# Altium PCB MainBoard_Layout_V2.PcbDoc (part 3 of 3)
Units mil, origin at the board's own origin, x right, y up, seen from the top; angles counter-clockwise.
Board outline 6119.77 x 4182.8 mil, 4 copper layers (Top Layer 1, Top Layer, Bottom Layer, Bottom Layer 1), stack 19.156 mil thick; 239 components, 227 nets, 1028 pads, 670 vias.
Unrouted connection lines stored in the file: 2.
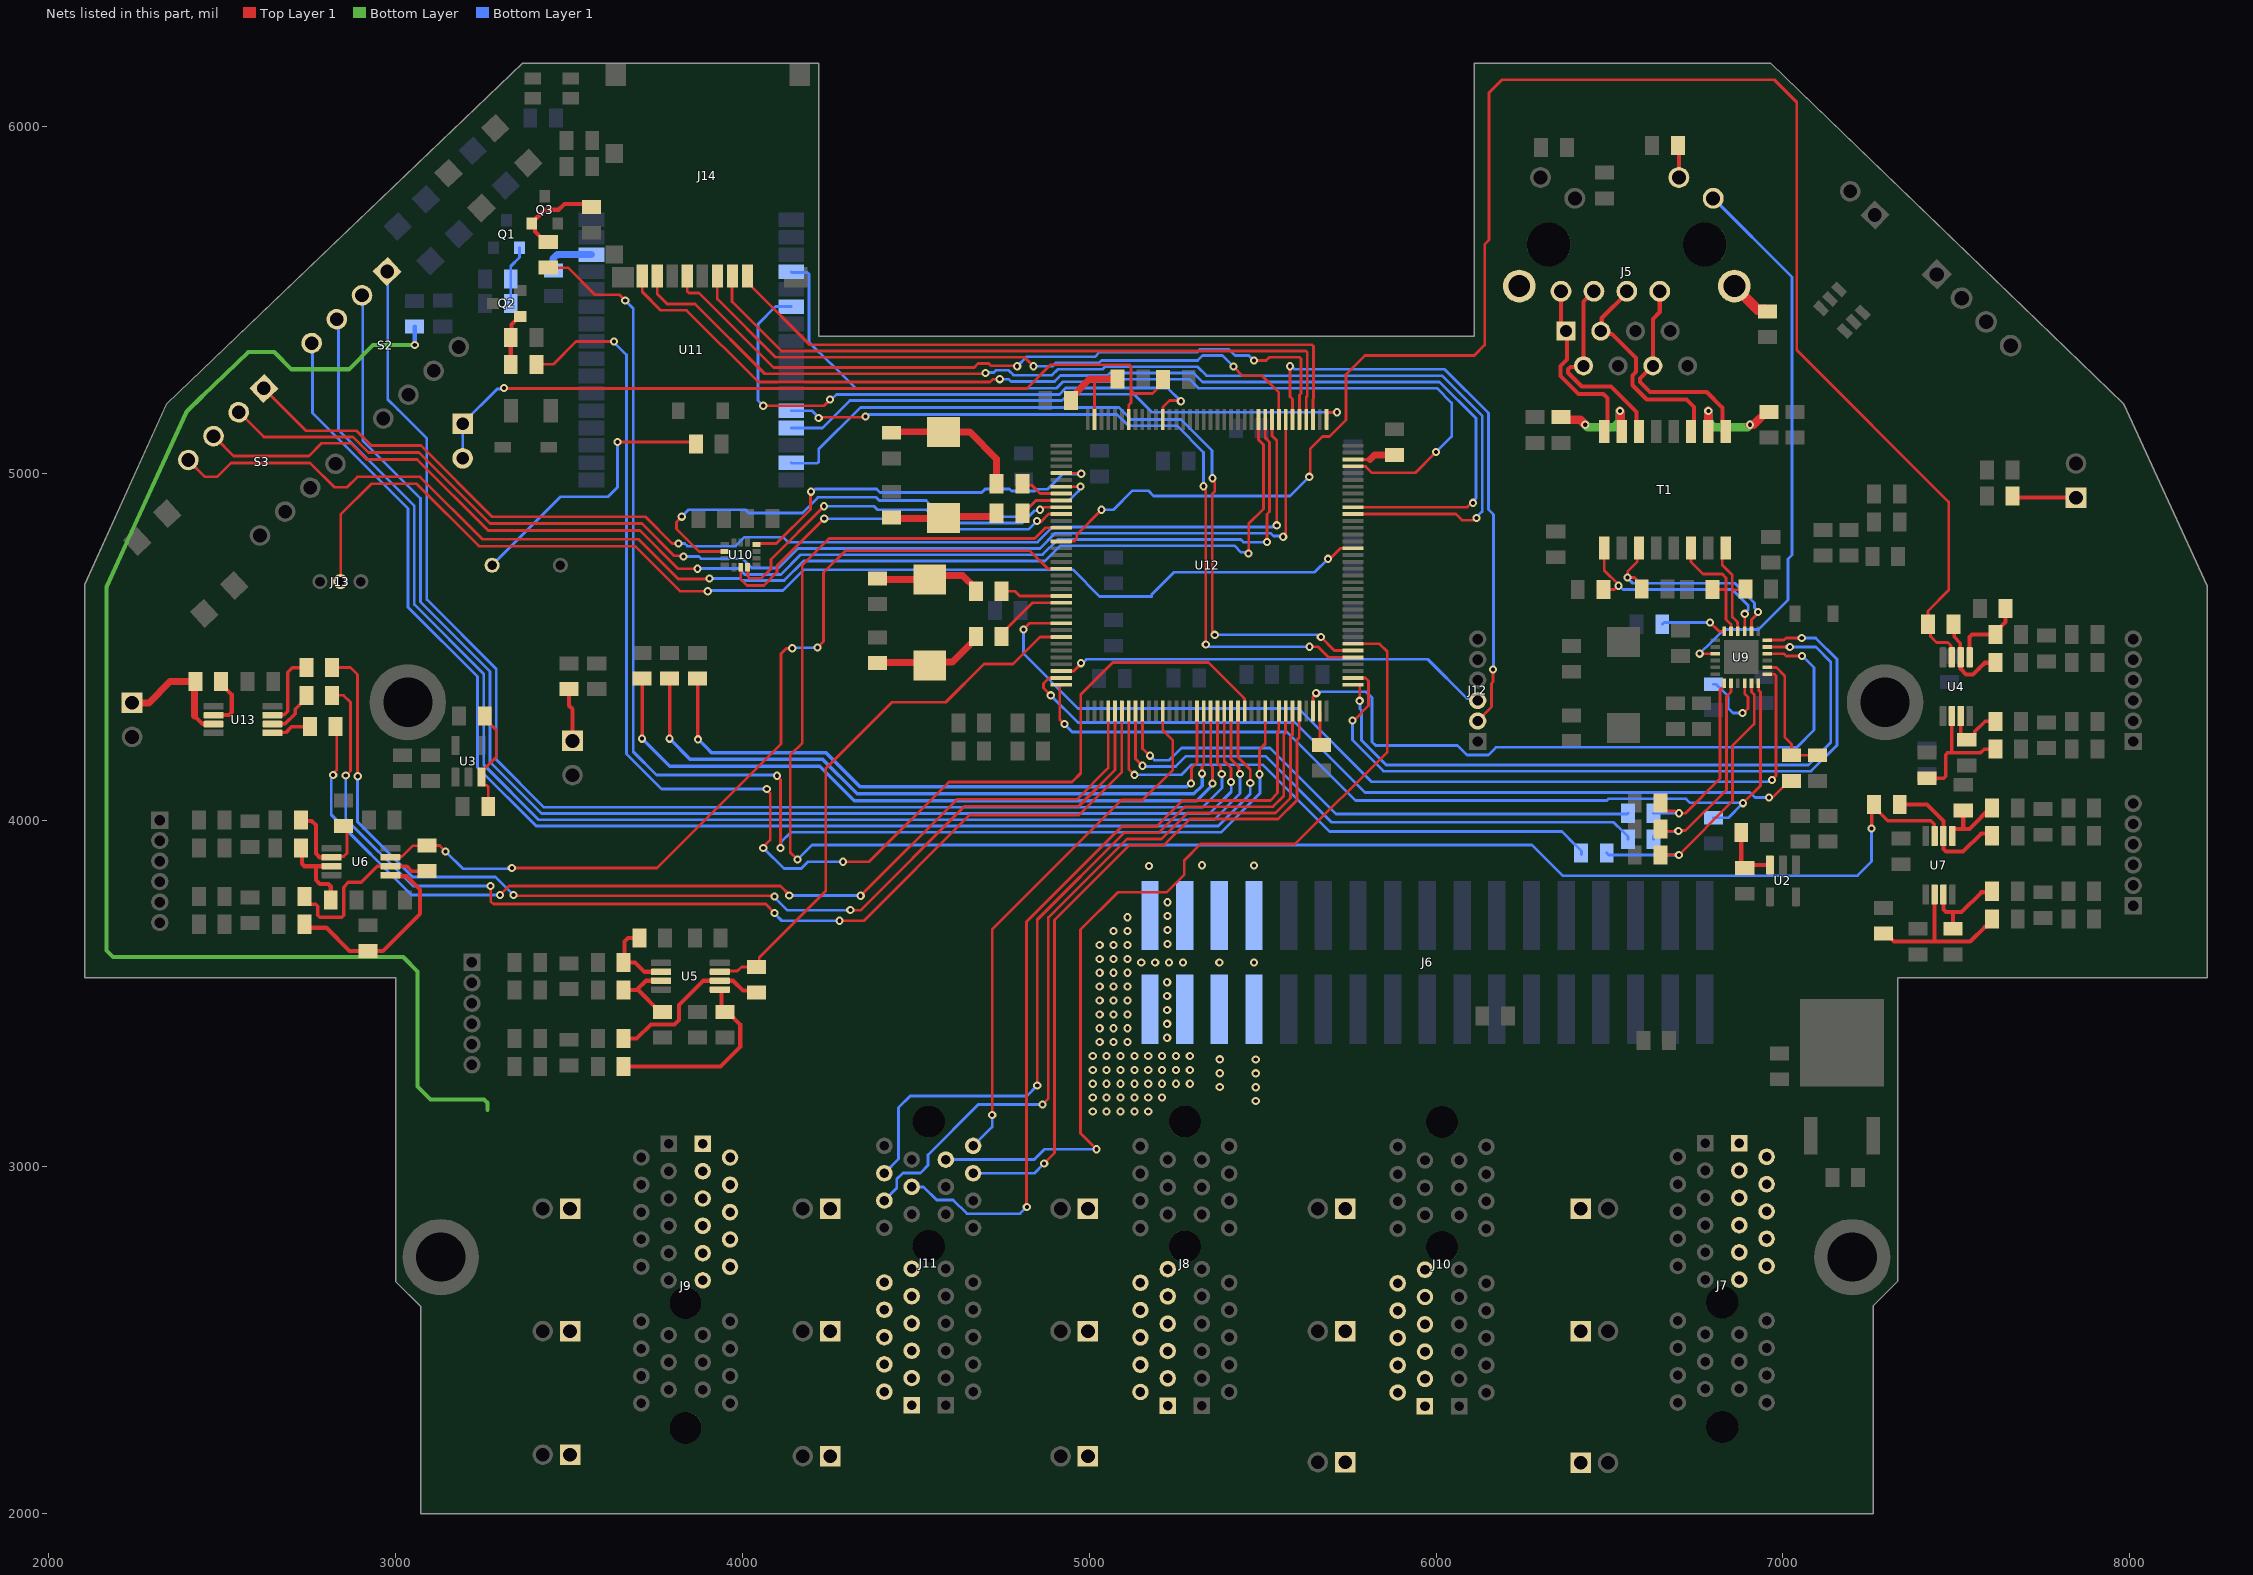
[diagram p5: the nets of this part, all layers, seen from the top]

## Via types
v1: diameter 23.62, hole 11.81, Top Layer 1 to Bottom Layer 1, tented both sides, 452 vias
v2: diameter 23.62, hole 11.81, Top Layer 1 to Bottom Layer 1, 166 vias
v3: diameter 23.62, hole 11.81, Top Layer 1 to Bottom Layer 1, tented bottom, 48 vias
v4: diameter 23.62/23.62/23.62/23.62 (per signal layer), hole 11.81, Top Layer 1 to Bottom Layer 1, 2 vias
v5: diameter 30, hole 15, Top Layer 1 to Bottom Layer 1, tented both sides, 1 vias
v6: diameter 23.62, hole 11.81, Top Layer 1 to Bottom Layer 1, tented top, 1 vias

## Nets (pads, with @x,y where several pads share a name; then routed paths per layer and width w, separated by ;. In a path a pad name is that pad's centre, name@x,y a point inside that pad or via, vN(x,y) a via of type N, cw(c..) or ccw(c..) an arc to the next point about the centre after c; other vN are vias at no path point) (continued)
NetJ11_A14: J11.A14 U12.67 | length 2243.3
  Top Layer 1 w8: v2(4865,3180) 4882,3197 4882,3719.28 5108.72,3946 5208.38,3946 5283.38,4021 5536.91,4021 5580,4064.09 5580,4240 5586.06,4246.06 U12.67@5586.06,4314.53
  Bottom Layer 1 w8: J11.A14@4409.16,2903.26 4445,2939.09 4445,2965 4462.86,2982.86 4512.86,2982.86 4535,3005 4535,3035 4680,3180 v2(4865,3180)
NetJ11_A15: J11.A15 U12.65 | length 2310.4
  Top Layer 1 w8: v2(4820,2885) 4819,2886 4819,3707.19 5093.81,3982 5193.47,3982 5268.47,4057 5522,4057 5543,4078 5543,4253.91 5546.52,4257.43 5546.52,4314.35 U12.65@5546.69,4314.53
  Bottom Layer 1 w8: J11.A15@4487.9,2942.63 4522.37,2942.63 4560.15,2904.85 4607.61,2904.85 4646.98,2865.48 4800.19,2865.48 4819.71,2885 v2(4820,2885)
NetJ11_A16: J11.A16 U12.66 | length 2215.7
  Top Layer 1 w8: v2(4850,3235) 4850,3712.73 5101.27,3964 5200.92,3964 5275.92,4039 5489.91,4039 5529.46,4039 5561,4070.54 5561,4110.09 5561,4246.46 5566.2,4251.66 5566.2,4314.35 U12.66@5566.38,4314.53
  Bottom Layer 1 w8: J11.A16@4409.16,2982 4450.13,3022.96 4450.13,3171.26 4483.87,3205 4820,3205 v2(4850,3235)
NetJ11_B16: J11.B16 U12.68 | length 2032.7
  Top Layer 1 w8: v2(4870,3010) 4900,3040 4900,3711.82 5116.18,3928 5215.83,3928 5290.83,4003 5544.37,4003 5598.83,4057.47 5598.83,4232.01 5605.57,4238.75 5605.57,4314.35 U12.68@5605.75,4314.53
  Bottom Layer 1 w8: J11.B16@4665.07,2982 4842,2982 v2(4870,3010)
NetJ11_B17: J11.B17 U12.79 | length 2617.7
  Top Layer 1 w8: v2(5021.11,3051.11) 4975.06,3097.17 4975.06,3685.06 5082,3792 5222.46,3792 5274.06,3843.6 5274.06,3884.4 5320.66,3931 5593.72,3931 5859.47,4196.75 5859.47,4485.49 5836.51,4508.45 5760.65,4508.45 U12.79@5760.47,4508.62
  Bottom Layer 1 w8: J11.B17@4586.33,3021.37 4841.37,3021.37 4871.11,3051.11 v2(5021.11,3051.11)
NetJ11_B18: J11.B18 U12.48 | length 1539.8
  Top Layer 1 w8: v2(4720,3150) 4720,3684.56 5093.44,4058 5154.03,4058 5241,4144.97 5241,4229.91 5212.05,4258.86 U12.48@5212.05,4314.53
  Bottom Layer 1 w8: J11.B18@4665.07,3060.74 4720,3115.67 v2(4720,3150)
NetJ12_2: J12.2 U12.114 | length 1697.4
  Top Layer 1 w8: v2(5578.85,5308.9) 5578.85,5221.15 5586.06,5213.94 U12.114@5586.06,5155.47 ; J12.2@6120,4285.94 6160.07,4326.01 6160.07,4394.35 6164.19,4398.47 v1(6164.19,4434.25)
  Bottom Layer 1 w8: v2(5578.85,5308.9) 5582.44,5308.9 5591.35,5300 6024.54,5300 6150.83,5173.72 6150.83,4896.08 6165.88,4881.03 6165.88,4435.94 v1(6164.19,4434.25)
NetJ12_3: J12.3 U12.34 | length 1261.5
  Top Layer 1 w8: U12.34@4919.53,4429.88 4919.7,4430.06 4955.23,4430.06 4976.29,4451.11 v1(4976.29,4452.61)
  Bottom Layer 1 w8: v1(4976.29,4452.61) 4980.52,4452.61 4987.19,4459.28 4987.29,4459.28 4992.06,4464.06 5975.94,4464.06 6089.34,4350.66 6105.28,4350.66 J12.3@6115,4340.94
NetJ13_2: J13.2 U12.93 | length 3396.1
  Top Layer 1 w8: J13.2@2840.94,4688.07 2841.59,4688.72 2841.59,4881.59 2930,4970 3060,4970 3240,4790 3690,4790 3819.66,4660.34 3899.66,4660.34 v3(3900,4660) ; v1(5688.53,4753.53) 5691.52,4756.52 5696.54,4756.52 5724.06,4784.04 5760.3,4784.04 U12.93@5760.47,4784.21
  Bottom Layer 1 w8: v3(3900,4660) 3902.22,4662.22 4117.22,4662.22 4177.34,4722.34 4952.66,4722.34 5030,4645 5180,4645 5180,4650 5245,4715 5650,4715 v1(5688.53,4753.53)
NetJ14_1: J14.1 U12.111 | length 1939
  Top Layer 1 w8: J14.1@4014.13,5569.17 4026.13,5557.17 4026.13,5538.87 4194.1,5370.9 5642.12,5370.9 5646.8,5366.22 5646.8,5215.89 5645,5214.09 5645,5155.59 U12.111@5645.12,5155.47
NetJ14_2: J14.2 U12.112 | length 1988.3
  Top Layer 1 w8: J14.2@3970.83,5569.17 3970,5568.35 3970,5495 4112.1,5352.9 5624.12,5352.9 5628.8,5348.22 5628.8,5223.35 5625.43,5219.98 U12.112@5625.43,5155.47
NetJ14_3: J14.3 U12.116 | length 1900.8
  Top Layer 1 w8: J14.3@3927.52,5569.17 3927.52,5502.48 4095.1,5334.9 4813.32,5334.9 v2(4839.32,5308.9) ; v2(5415.58,5307.65) 5442.04,5281.19 5498.81,5281.19 5546.52,5233.48 U12.116@5546.52,5155.65
  Bottom Layer 1 w8: v2(4839.32,5308.9) 4893.17,5308.9 4902.27,5318 5028,5318 5035.49,5325.49 5312.6,5325.49 5326.76,5339.65 5384.27,5339.65 5415.58,5308.35 v2(5415.58,5307.65)
NetJ14_5: J14.5 U12.113 | length 2129.8
  Top Layer 1 w8: J14.5@3840.91,5569.17 3840.91,5524.69 3845.59,5520 3875,5520 4089.71,5305.29 4668.29,5305.29 4679.66,5316.66 4710.17,5316.66 4716.76,5310.07 4791.05,5310.07 v2(4792.21,5308.9) ; v2(5475,5325) 5510,5325 5519.9,5334.9 5606.12,5334.9 5610.8,5330.22 5610.8,5230.8 5605.92,5225.92 5605.92,5155.65 U12.113@5605.75,5155.47
  Bottom Layer 1 w8: v2(4792.21,5308.9) 4819.31,5336 5016,5336 5030,5350 5311.65,5350 5319.3,5357.65 5402.35,5357.65 5420,5340 5460,5340 v2(5475,5325)
NetJ14_7: J14.7 U12.98 | length 3272.2
  Top Layer 1 w8: J14.7@3754.29,5569.17 3754.29,5517.02 3783.31,5488 3863.6,5488 4064.31,5287.29 4699.35,5287.29 v2(4701.06,5289) ; U12.98@5760.47,4882.64 5760.65,4882.46 6057.54,4882.46 6075,4865 6106.08,4865 6112.73,4871.66 v2(6116.96,4871.66)
  Bottom Layer 1 w8: v2(4701.06,5289) 4703.06,5290.99 4724.87,5290.99 4731.17,5297.3 4767.32,5297.3 4781.52,5283.09 4892.81,5283.09 4909.72,5300 5038,5300 5045.49,5307.49 5312.51,5307.49 5338.35,5281.65 6017.44,5281.65 6132.83,5166.26 6132.83,4889.47 6116.96,4873.6 v2(6116.96,4871.66)
NetJ14_8: J14.8 U12.99 | length 3226.7
  Top Layer 1 w8: J14.8@3710.98,5569.17 3710.98,5523.48 3764.47,5470 3839.08,5470 4046.08,5263 4713.65,5263 4721.65,5271 4741.38,5271 v2(4741.87,5271.49) ; U12.99@5760.47,4902.32 5760.65,4902.15 6089.65,4902.15 6102.5,4915 v2(6106.83,4915)
  Bottom Layer 1 w8: v2(4741.87,5271.49) 4767.67,5271.49 4774.06,5265.09 4900.27,5265.09 4917.18,5282 5052,5282 5059.49,5289.49 5300.51,5289.49 5326.35,5263.65 6009.98,5263.65 6114.83,5158.81 6114.83,4927.33 6106.83,4919.33 v2(6106.83,4915)
NetJ15_1: J15.1 R97.2 U13.3 | length 386.4
  Top Layer 1 w12: 2420,4300 2442.8,4277.2 U13.3@2485.35,4277.2
  Top Layer 1 w20: J15.1@2238.11,4338.4 2288.4,4338.4 2350,4400 R97.2@2423,4400 2420,4397 2420,4300
NetJ17_1: J17.1 R101.1 | length 153.7
  Top Layer 1 w12: R101.1@3500,4378 3500,4330 3510,4320 J17.1@3510,4228.43
NetJ18_1: J18.1 R102.1 | length 185.1
  Top Layer 1 w12: R102.1@7662,4935 7667,4930 J18.1@7845,4930
NetPboot1_1: Pboot1.1 Pboot1.2 R94.1 U12.138 | length 2374.6
  Top Layer 1 w8: v2(3312.88,5245.86) 3313.74,5245 4820,5245 4887.99,5312.99 5115.31,5312.99 5120,5308.3 5120,5240 ; U12.138@5113.62,5155.47 5113.79,5155.64 5113.79,5197.55 5120,5203.76 5120,5240 ; R94.1@5213,5270 5197,5254 5197,5244.69 5182.3,5229.99 5129.71,5229.99 5121.51,5238.19 5121.51,5238.49 5120,5240
  Bottom Layer 1 w8: Pboot1.2@3193.24,5043.24 Pboot1.1@3193.24,5143.24 3292.88,5242.88 3309.89,5242.88 v2(3312.88,5245.86)
NetQ1_1: Q1.1 R84.1 R86.1 | length 178.2
  Bottom Layer 1 w8: R84.1@3332,5490 3337,5490 3332,5495 R86.1@3332,5560 3332,5597 3357.4,5622.4 Q1.1@3357.4,5650.63
NetQ2_1: Q2.1 R85.1 R87.1 | length 150.7
  Top Layer 1 w12: R85.1@3331.93,5314.37 3331.93,5398.65 3334.42,5401.14 3334.42,5429.62 3357.4,5452.6 Q2.1@3359.37,5452.6
NetQ3_1: Q3.1 R92.1 R93.1 | length 273.6
  Top Layer 1 w12: R92.1@3440,5667 3432.5,5667 3402.35,5697.15 3402.35,5712.85 3392.6,5722.6 3430,5760 3470,5760 3487,5777 R93.1@3564,5777
NetR2_1: R2.1 R4.2 U2.3 | length 183.4
  Top Layer 1 w12: R4.2@6880,3965 6880,3872 R2.1@6890,3862 6895,3867 6898.87,3870.87 U2.3@6962.6,3870.87
NetR3_1: R3.1 R5.2 U3.3 | length 303.6
  Top Layer 1 w8: R3.1@3257,4300 3257,4292.5 3290,4259.5 3290,4182.28 3247.4,4139.69 3247.4,4108.58 3255.21,4100.77 3262.31,4100.77 3267,4096.09 R5.2@3267,4040
NetR6_2: R6.2 R8.1 U4.2 | length 374.8
  Top Layer 1 w10: R6.2@7415,4121 7464.14,4121 7470,4126.86 7470,4189.14 7475.86,4195 7487.5,4195 ; U4.2@7487.2,4300.35 7487.5,4300.06 7487.5,4195 ; R8.1@7613,4205 7580.33,4205 7570.33,4195 7487.5,4195
NetR9_2: R9.2 R11.1 U5.2 | length 226.7
  Top Layer 1 w12: R11.1@3657,3590 R11.1@3660.22,3590 ; R9.2@3703,3660 3670,3660 3660.22,3650.22 R11.1@3660.22,3590 ; U5.2@3765.35,3562.8 3717.2,3562.8 3690,3590 R11.1@3660.22,3590
NetR13_1: R13.1 R26.1 U4.3 | length 186.1
  Top Layer 1 w10: U4.3@7512.8,4300.35 7512.8,4247 7527.8,4232 R26.1@7530,4232 7537.5,4232 7552.5,4247 7552.5,4254.5 7583,4285 R13.1@7613,4285
NetR14_2: R14.2 R18.1 U4.6 | length 259.2
  Top Layer 1 w10: R14.2@7492,4565 7493.6,4563.4 7493.6,4528.36 7511.65,4510.31 7511.65,4470.79 U4.6@7512.8,4469.65
  Top Layer 1 w12: U4.6@7512.8,4469.65 7512.94,4469.5 7512.94,4435.47 7528.43,4419.97 7548.34,4419.97 7566.54,4438.17 7582.03,4453.66 7611.66,4453.66 R18.1@7613,4455
NetR16_1: R16.1 R28.1 U5.3 | length 220.7
  Top Layer 1 w12: R16.1@3657,3510 3695,3510 ; U5.3@3765.35,3537.2 3765.21,3537.06 3722.06,3537.06 3695,3510 ; R28.1@3770,3447 3762.5,3447 3699.5,3510 3695,3510
NetR19_2: R19.2 R21.1 U5.6 | length 491.7
  Top Layer 1 w12: R21.1@3657,3370 3695,3370 3736,3411 3804.13,3411 3817.06,3423.94 3817.06,3467.06 3887.2,3537.2 U5.6@3934.65,3537.2 3934.79,3537.06 3972.94,3537.06 4001.53,3508.47 4034.53,3508.47 R19.2@4040,3503
NetR23_1: R23.1 R27.1 U4.5 | length 222.9
  Top Layer 1 w12: U4.5@7538.39,4469.65 7538.39,4527.97 7545.42,4535 R23.1@7613,4535 7613,4542.5 7641.72,4571.22 7641.72,4609.72 R27.1@7642,4610
NetR25_1: R25.1 R29.1 U5.5 | length 555
  Top Layer 1 w12: R25.1@3657,3290 3937.13,3290 3993.5,3346.37 3993.5,3411 3957.5,3447 R29.1@3950,3447 3940,3457 3940,3508.17 3936.55,3511.61 U5.5@3934.65,3511.61
NetR30_2: R30.2 R32.1 U6.2 | length 312.6
  Top Layer 1 w8: U6.2@2815.35,3892.8 2817.5,3894.94 2850.25,3894.94 2860,3904.69 2860,3973 R30.2@2850,3983
  Top Layer 1 w12: R32.1@2727,4000 2729.22,3997.78 2757.97,3997.78 2770,3985.75 2770,3904.11 2781.17,3892.94 2815.21,3892.94 U6.2@2815.35,3892.8
NetR34_1: R34.1 R50.1 U6.3 | length 264.8
  Top Layer 1 w12: R34.1@2727,3920 2730,3917 2730,3874.23 2737.03,3867.2 2770,3867.2 ; R50.1@2813,3770 2813,3809.14 2805.97,3816.17 2781.17,3816.17 2770,3827.34 2770,3867.2 ; U6.3@2815.35,3867.2 2770,3867.2
NetR35_2: R35.2 R37.1 U7.2 | length 490.6
  Top Layer 1 w12: R35.2@7290,3673 7297.5,3673 7311.5,3659 7311.5,3658.5 7320,3650 7437.35,3650 7540.1,3650 7583.6,3693.5 7589,3693.5 7603,3707.5 R37.1@7603,3715 ; U7.2@7437.2,3785.35 7437.35,3785.21 7437.35,3652.65 7440,3650
NetR38_2: R38.2 R40.1 U6.6 | length 511.8
  Top Layer 1 w10: R40.1@2737,3780 2737,3772.5 2752,3757.5 2769.28,3757.5 2775.13,3751.64 2775.13,3725.86 2780.99,3720 2844.14,3720 2850,3725.86 2850,3807.07 2863.69,3820.76 2900.76,3820.76 2946.82,3866.82 2984.26,3866.82 U6.6@2984.65,3867.2 3032.8,3867.2 3047,3853 R38.2@3090,3853
NetR42_1: R42.1 R52.1 U7.3 | length 263.8
  Top Layer 1 w12: U7.3@7462.8,3785.35 7462.94,3785.21 7462.94,3742 7469.97,3734.97 7490,3734.97 ; R52.1@7490,3687 7490,3734.97 ; R42.1@7603,3806.03 7589,3792.03 7572.03,3792.03 7514.97,3734.97 7490,3734.97
NetR44_1: R44.1 R51.1 U6.5 | length 581.8
  Top Layer 1 w12: R44.1@2737,3700 2747,3690 2800,3690 2867,3623 2912.5,3623 2963,3623 3070,3730 3070,3800 3031.83,3838.17 2988.09,3838.17 U6.5@2984.65,3841.61
NetR45_2: R45.2 R47.1 U7.6 | length 391.8
  Top Layer 1 w12: R45.2@7337,4045 7415,4045 7462.65,3997.35 7462.65,3954.79 7462.94,3954.5 7462.94,3917.06 7470.29,3909.71 7519.71,3909.71 7572.03,3962.03 7600.03,3962.03 R47.1@7603,3965
NetR49_1: R49.1 R53.1 U7.5 | length 210.3
  Top Layer 1 w12: U7.5@7488.39,3954.65 7488.39,3971.55 7491.83,3975 7520,3975 7538,3975 R49.1@7603,4040 ; 7520,3977.58 R53.1@7520,4028
NetR54_1: R54.1 R72.1 U9.14 | length 372.9
  Top Layer 1 w8: U9.14@6954.8,4440.47 6981.08,4440.47 7005,4416.56 7005,4240 7025,4220 R72.1@7025,4187 R54.1@7100,4187
NetR56_1: R56.1 R66.1 U9.11 | length 851.3
  Top Layer 1 w8: R56.1@6647,3900 v2(6699.95,3900) ; v2@6699.9,3899.95 6855,4055.05 6855,4215 6917.12,4277.12 6917.12,4362.12 6909.53,4369.71 U9.11@6909.53,4395.2
  Bottom Layer 1 w8: R66.1@6492,3905 6497.05,3899.95 v2@6699.9,3899.95
NetR58_1: R58.1 R64.1 U9.7 | length 579.1
  Top Layer 1 w8: R58.1@6647,4050 6647,4042.5 6663,4026.5 6689.17,4026.5 v2@6695.67,4020 ; v2(6700,4020) 6719.25,4020 6819,4119.75 6819,4374.75 6829.47,4385.22 6829.47,4393.88 U9.7@6830.79,4395.2
  Bottom Layer 1 w8: R64.1@6627,4020 v2(6700,4020)
NetR60_1: R60.1 R63.1 U9.8 | length 640.8
  Top Layer 1 w8: R60.1@6647,3975 6653.65,3968.35 v2(6698.49,3968.35) 6700.04,3969.9 6719.36,3969.9 6837,4087.54 6837,4355.75 6850.47,4369.22 U9.8@6850.47,4395.2
  Bottom Layer 1 w8: R63.1@6627,3945 6627,3952.35 6643,3968.35 v2(6698.49,3968.35)
NetR63_2: R63.2 U12.44 | length 1682.2
  Top Layer 1 w8: U12.44@5133.31,4314.53 5133.31,4176.99 v1(5153.48,4156.81)
  Bottom Layer 1 w8: v1(5153.48,4156.81) 5155.29,4155 5249.09,4155 5278.59,4184.5 5508.08,4184.5 5698.73,3993.85 6511.65,3993.85 6537,3968.5 6553,3952.5 R63.2@6553,3945
NetR64_2: R64.2 U12.45 | length 1616.3
  Top Layer 1 w8: U12.45@5152.99,4314.53 5153.17,4314.35 5153.17,4206.16 5173.4,4185.93 v1(5175.11,4185.93)
  Bottom Layer 1 w8: v1(5175.11,4185.93) 5188.03,4173 5230.63,4173 5265.96,4208.33 5520.95,4208.33 5711.28,4018 6551,4018 R64.2@6553,4020
NetR65_1: R65.1 U9.10 | length 236.5
  Top Layer 1 w8: v2(6883.53,4308.89) 6886.43,4308.89 6899.12,4321.58 6899.12,4354.67 6890.21,4363.57 6890.21,4394.83 U9.10@6889.84,4395.2
  Bottom Layer 1 w8: R65.1@6800,4392 6807.5,4392 6841.5,4358 6841.5,4323.5 6856.11,4308.89 v2(6883.53,4308.89)
NetR66_2: R66.2 U12.43 | length 1605.1
  Top Layer 1 w8: U12.43@5113.62,4314.53 5113.62,4147.85 v1(5130.66,4130.81)
  Bottom Layer 1 w8: v1(5130.66,4130.81) 5265.81,4130.81 5295,4160 5499.54,4160 5692.54,3967 6362.74,3967 6401.24,3928.5 6402,3928.5 6419.32,3911.18 R66.2@6419.32,3900.68
NetR67_2: R67.2 U9.24 | length 191.3
  Top Layer 1 w8: v2(6790,4570) 6815.2,4544.8 U9.24@6830.79,4544.8
  Bottom Layer 1 w8: R67.2@6652,4565 6657,4570 v2(6790,4570)
NetR68_1: R68.1 T1.10 | length 290.5
  Top Layer 1 w25: T1.10@6785,5120.83 v2(6785,5180) ; v2(6905,5140) 6915.5,5140 6952.5,5177 R68.1@6960,5177
  Bottom Layer w25: v2(6785,5180) 6785,5147.87 6799.64,5133.23 6898.23,5133.23 v2(6905,5140)
NetR69_1: R69.1 T1.15 | length 280.4
  Top Layer 1 w25: R69.1@6360,5162 6367.5,5154.5 6415.5,5154.5 v2(6430,5140) ; v2(6530,5180) 6532.54,5177.46 6532.54,5123.29 T1.15@6535,5120.83
  Bottom Layer w25: v2(6430,5140) 6437.14,5132.86 6512.86,5132.86 6530,5150 v2(6530,5180)
NetR80_2: R80.2 U11.30 | length 135.2
  Bottom Layer 1 w20: R80.2@3454.34,5598.7 3454.34,5619.01 3466.06,5630.72 U11.30@3564.34,5630.72
NetR85_2: R85.2 U12.60 | length 3955
  Top Layer 1 w8: R85.2@3405.93,5314.37 3454.37,5314.37 3520,5380 v1(3630,5380) ; v3(4060,3920) 4060,3922.69 4080,3942.69 4080,4077.31 4070,4087.31 v3(4070,4090) ; v3(4289.81,3880) 4365,3880 4595,4110 4950,4110 4975.38,4135.38 4975.38,4362.79 5067.59,4455 5343.32,4455 5439.09,4359.24 5448.09,4350.23 5448.09,4314.7 U12.60@5448.27,4314.53
  Bottom Layer 1 w8: v1(3630,5380) 3630,5377.5 3665.81,5341.69 3665.81,4191.15 3766.97,4090 v3(4070,4090) ; v3(4060,3920) 4119.7,3860.3 4169.61,3860.3 4189.31,3880 v3(4289.81,3880)
NetR88_1: R88.1 U12.53 | length 1873.6
  Top Layer 1 w8: v1(5293.41,4106) 5295,4107.59 5295,4150 5310.3,4165.3 5310.3,4314.35 U12.53@5310.47,4314.53
  Top Layer 1 w10: R88.1@3870,4408 3871.49,4406.51 3871.49,4233.8 v3(3872.12,4233.17)
  Bottom Layer 1 w10: v3(3872.12,4233.17) 3893.72,4211.57 3910.29,4195 4240,4195 4339.02,4095.98 5280.55,4095.98 5290.57,4106 v1(5293.41,4106)
NetR89_1: R89.1 U12.54 | length 2000.9
  Top Layer 1 w8: v1(5325.34,4134) 5325.34,4154.88 5329.98,4159.53 5329.98,4314.35 U12.54@5330.16,4314.53
  Top Layer 1 w10: v3(3790,4235) R89.1@3790,4408
  Bottom Layer 1 w10: v3(3790,4235) 3850,4175 4231.72,4175 4330.8,4075.92 5301.51,4075.92 5325.34,4099.75 v1(5325.34,4134)
NetR90_1: R90.1 U12.55 | length 2126.8
  Top Layer 1 w8: U12.55@5349.84,4314.53 5350.02,4314.35 5350.02,4158.16 5355,4153.18 5355,4106.46 v1(5355.46,4106)
  Top Layer 1 w10: R90.1@3710,4408 3710.81,4407.19 v3(3710.81,4235)
  Bottom Layer 1 w10: v3(3710.81,4235) 3710.81,4234.19 3790,4155 4223.43,4155 4322.51,4055.92 5309.79,4055.92 5342.66,4088.79 5342.66,4089.42 5355.46,4102.21 v1(5355.46,4106)
NetR92_2: R92.2 U12.63 | length 3928.3
  Top Layer 1 w8: R92.2@3440,5593 3497,5593 3575,5515 3645,5515 v1(3662,5498) ; v3(4100,4128.19) 4100,4127.31 4110,4117.31 v3(4110,3920) ; v1(5490.77,4132.27) 5490.77,4203.88 5507.32,4220.44 U12.63@5507.32,4314.53
  Bottom Layer 1 w8: v1(3662,5498) 3685,5475 3685,4197.42 3752.42,4130 4098.19,4130 v3(4100,4128.19) ; v3(4110,3920) 4111.16,3921.16 4111.16,3936.78 4139.29,3964.92 5379.38,3964.92 5492.14,4077.69 5492.14,4130.9 v1(5490.77,4132.27)
NetR95_1: R95.1 R96.1 U12.143 | length 280.4
  Top Layer 1 w8: U12.143@5015.2,5155.47 5015.2,5271.49
  Top Layer 1 w20: R96.1@4947,5210 4947,5217.5 5000.99,5271.49 5015.2,5271.49 R95.1@5081.51,5271.49
NetR97_1: R97.1 U13.2 | length 147.5
  Top Layer 1 w12: U13.2@2485.35,4302.8 2485.5,4302.94 2520.24,4302.94 2527.27,4309.97 2527.27,4362.23 2497,4392.5 R97.1@2497,4400
NetR98_1: R98.1 U12.41 | length 3136.2
  Top Layer 1 w8: R98.1@2817,4440 2870,4440 2890,4420 2890,4127.43 v2(2890.8,4126.63) ; v2(3339.61,3784) 3341.61,3782 4090.81,3782 v3(4092.81,3780) ; v3(4311.04,3740.67) 4311.71,3740 4340,3740 4640,4040 4969.59,4040 5074.25,4144.66 U12.41@5074.25,4314.53
  Bottom Layer 1 w8: v2(2890.8,4126.63) 2890.1,4125.93 2890.1,3995.35 3049.46,3836 3287.61,3836 v2(3339.61,3784) ; v3(4092.81,3780) 4092.81,3777.19 4130,3740 4310.36,3740 v3(4311.04,3740.67)